# Altium PCB STM_W5500.PcbDoc
Units mil, origin at the board's own origin, x right, y up, seen from the top; angles counter-clockwise.
Board outline 3937.01 x 3937.01 mil, 2 copper layers (Top Layer, Bottom Layer); 73 components, 66 nets, 300 pads, 74 vias.
Unrouted connection lines stored in the file: 60.
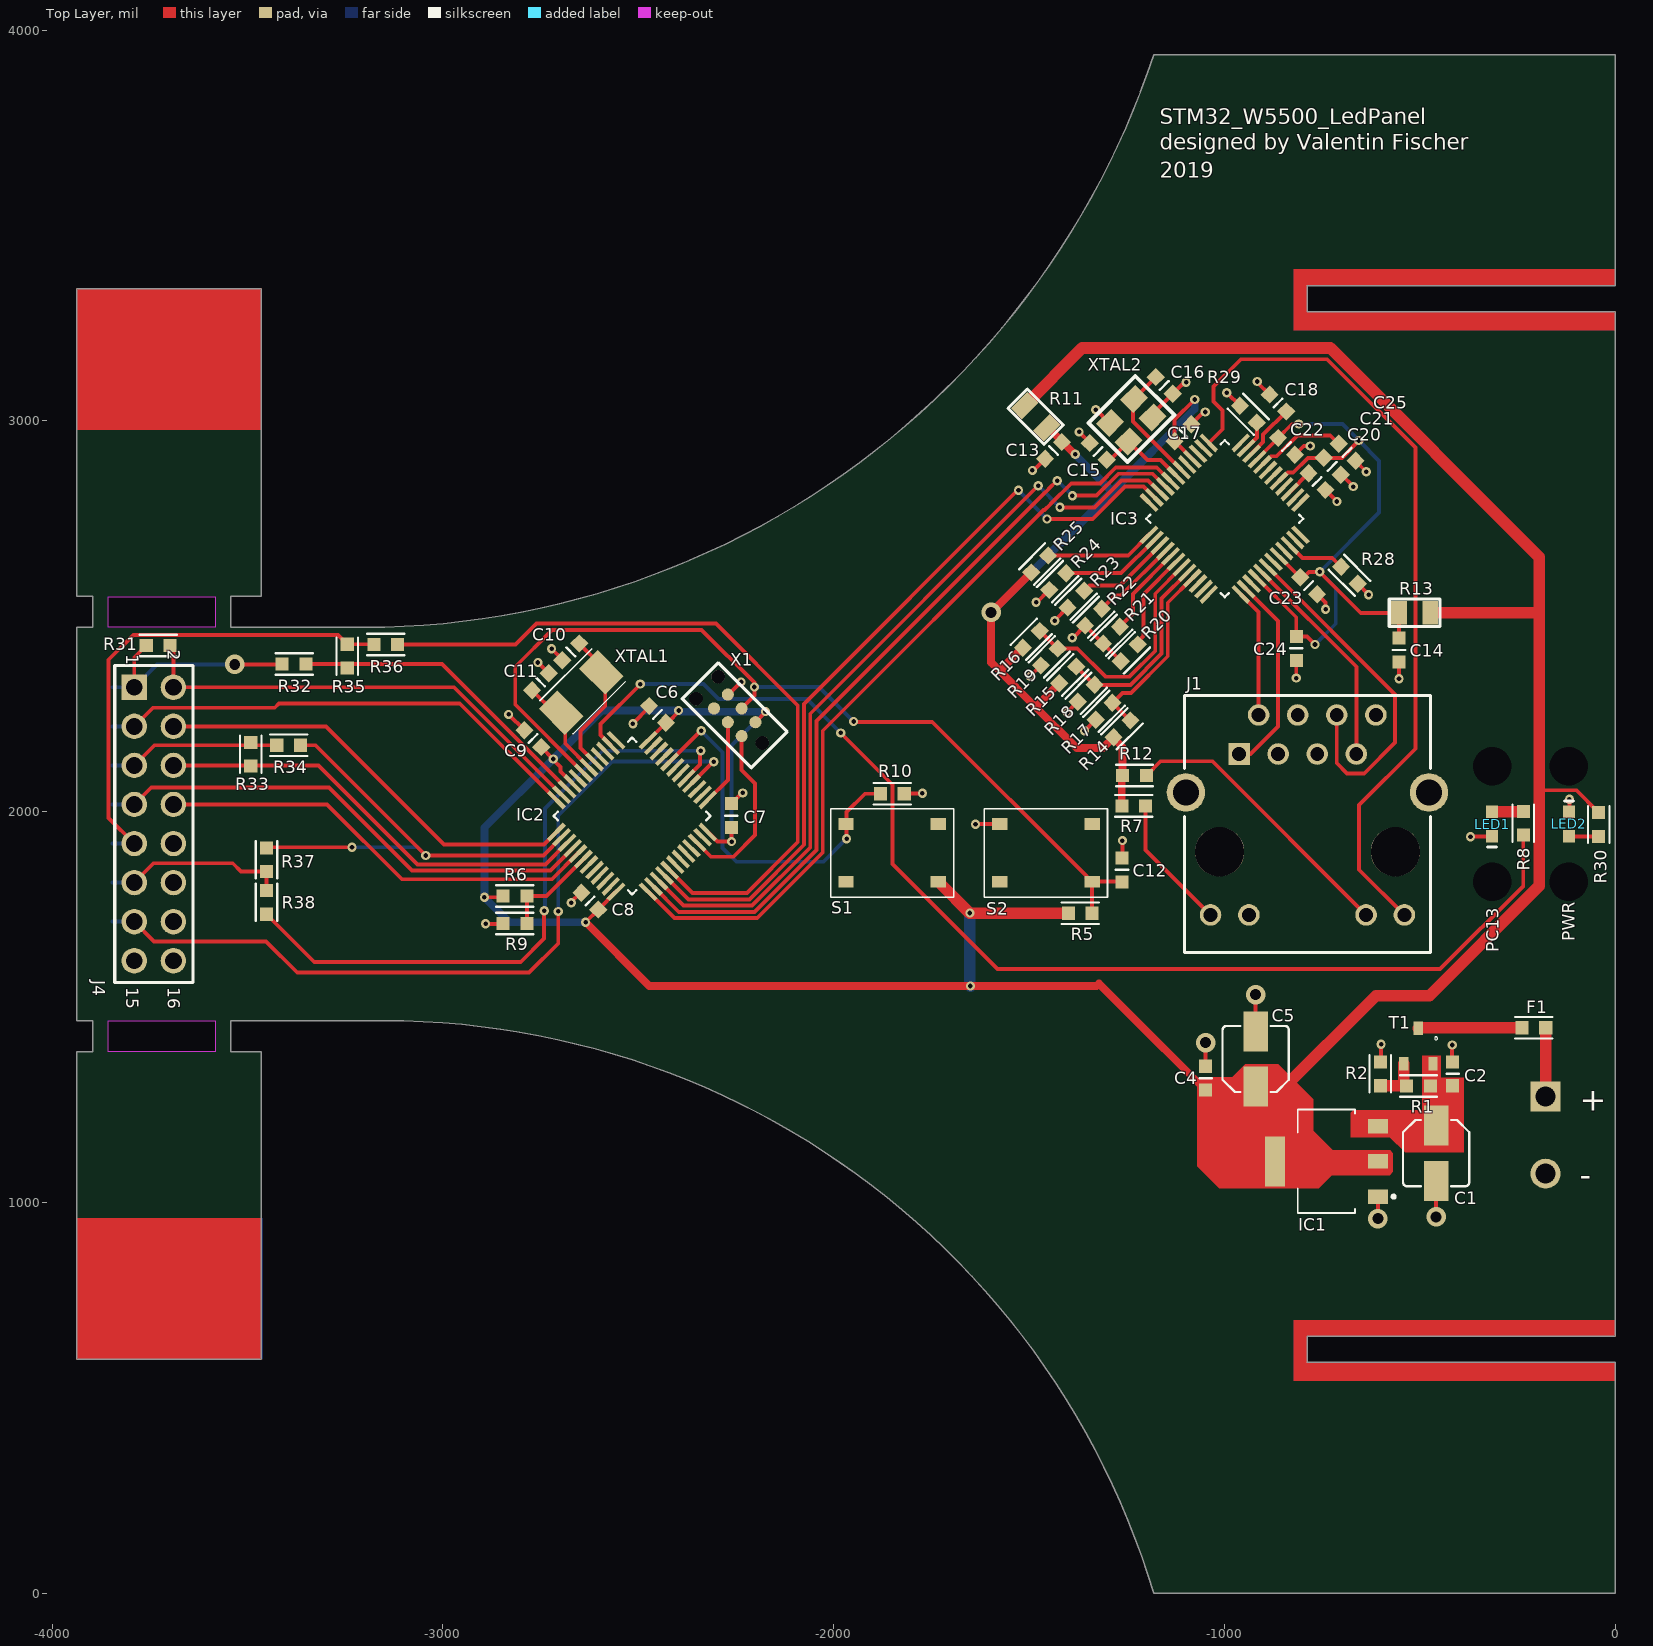
[diagram p0: Top Layer view]
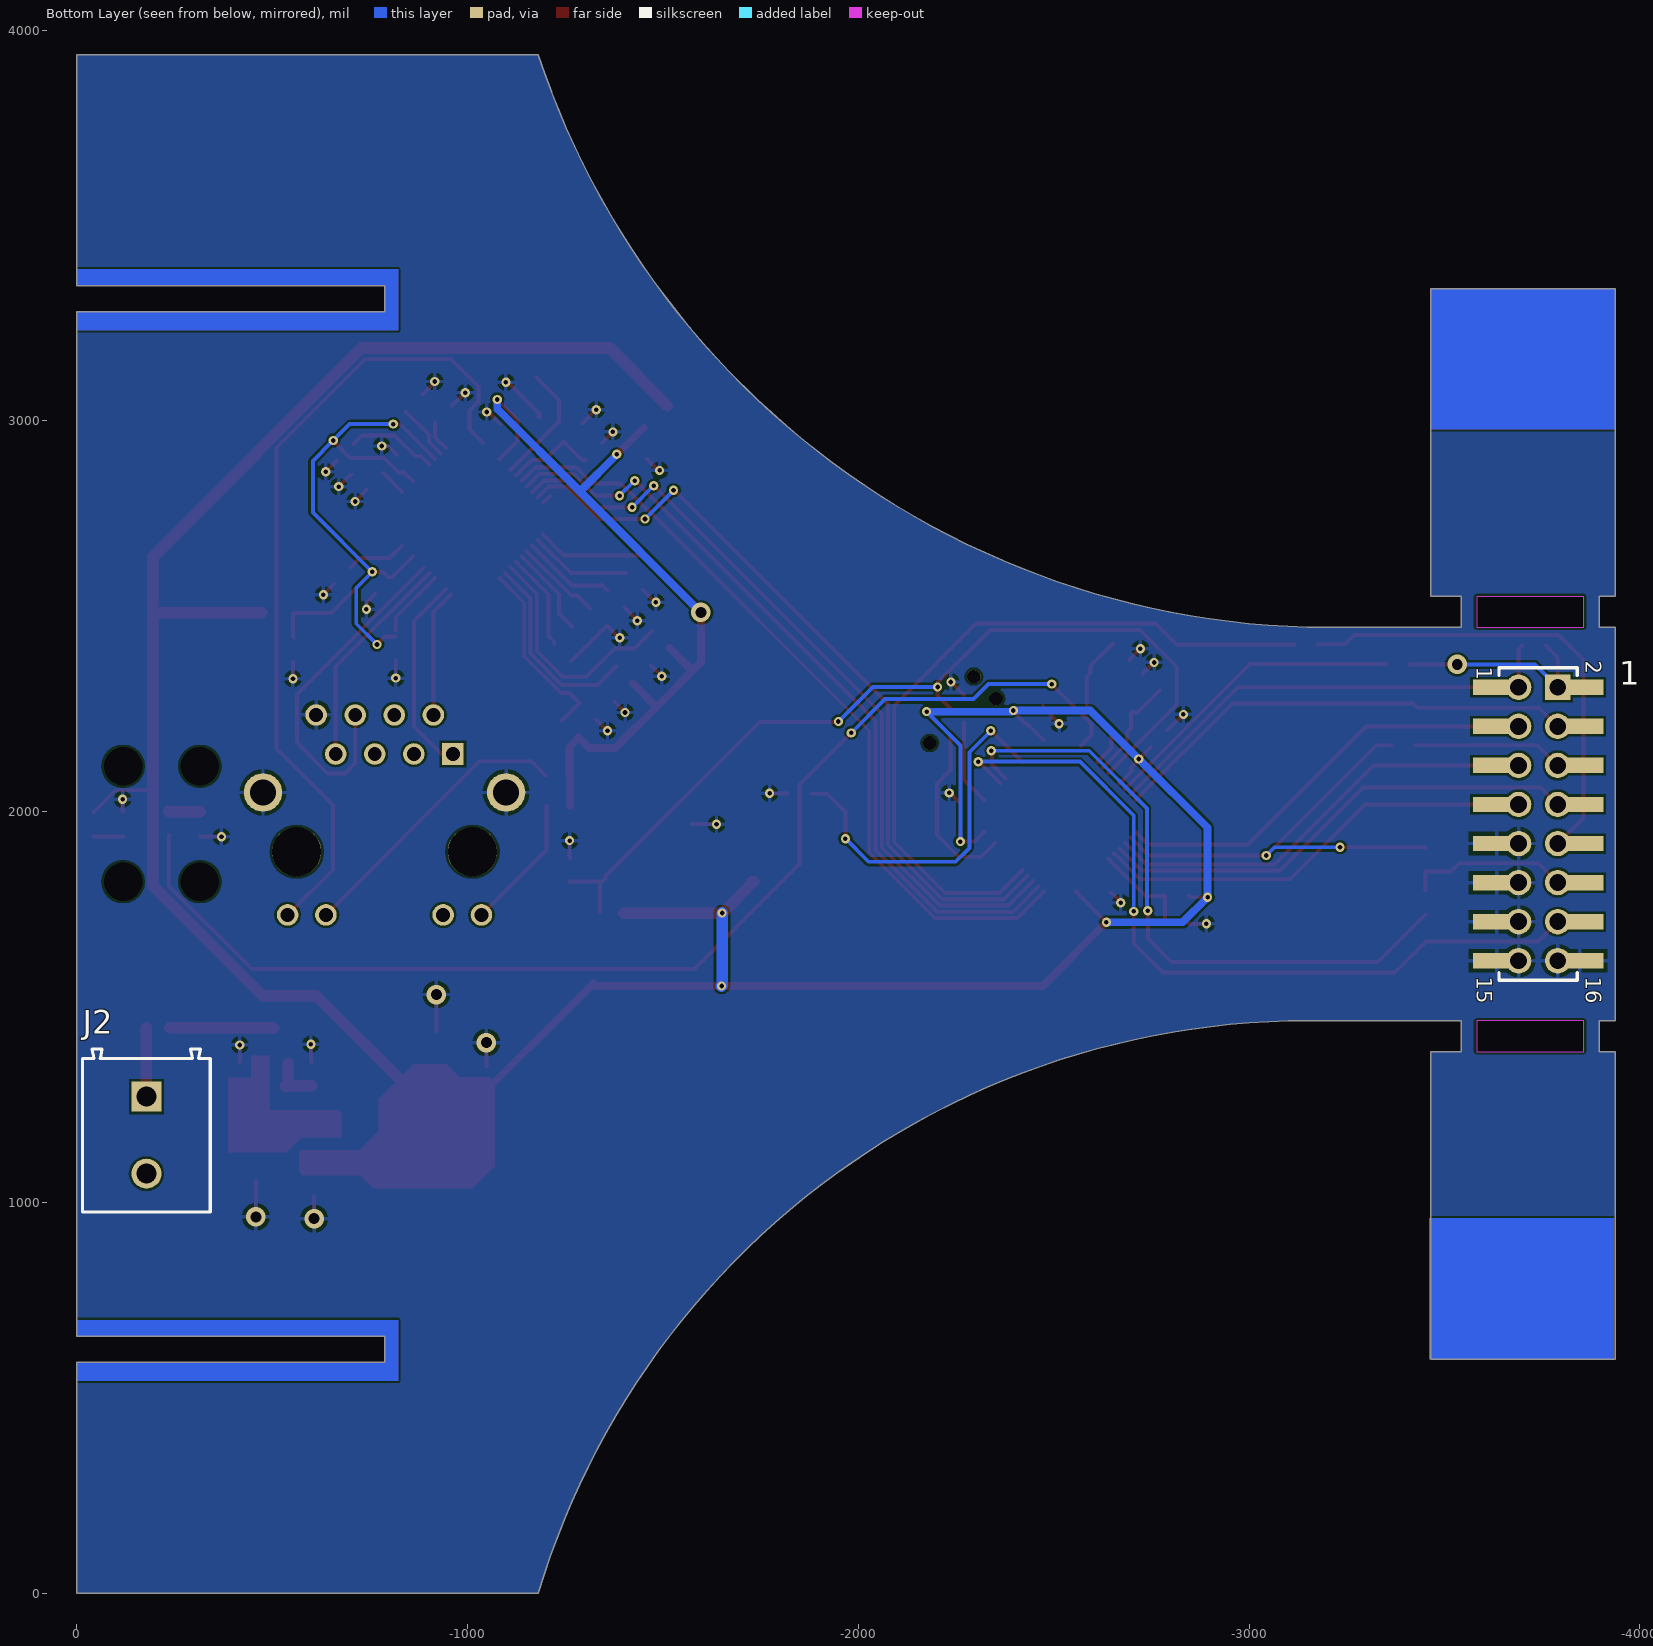
[diagram p1: Bottom Layer view, seen from below]
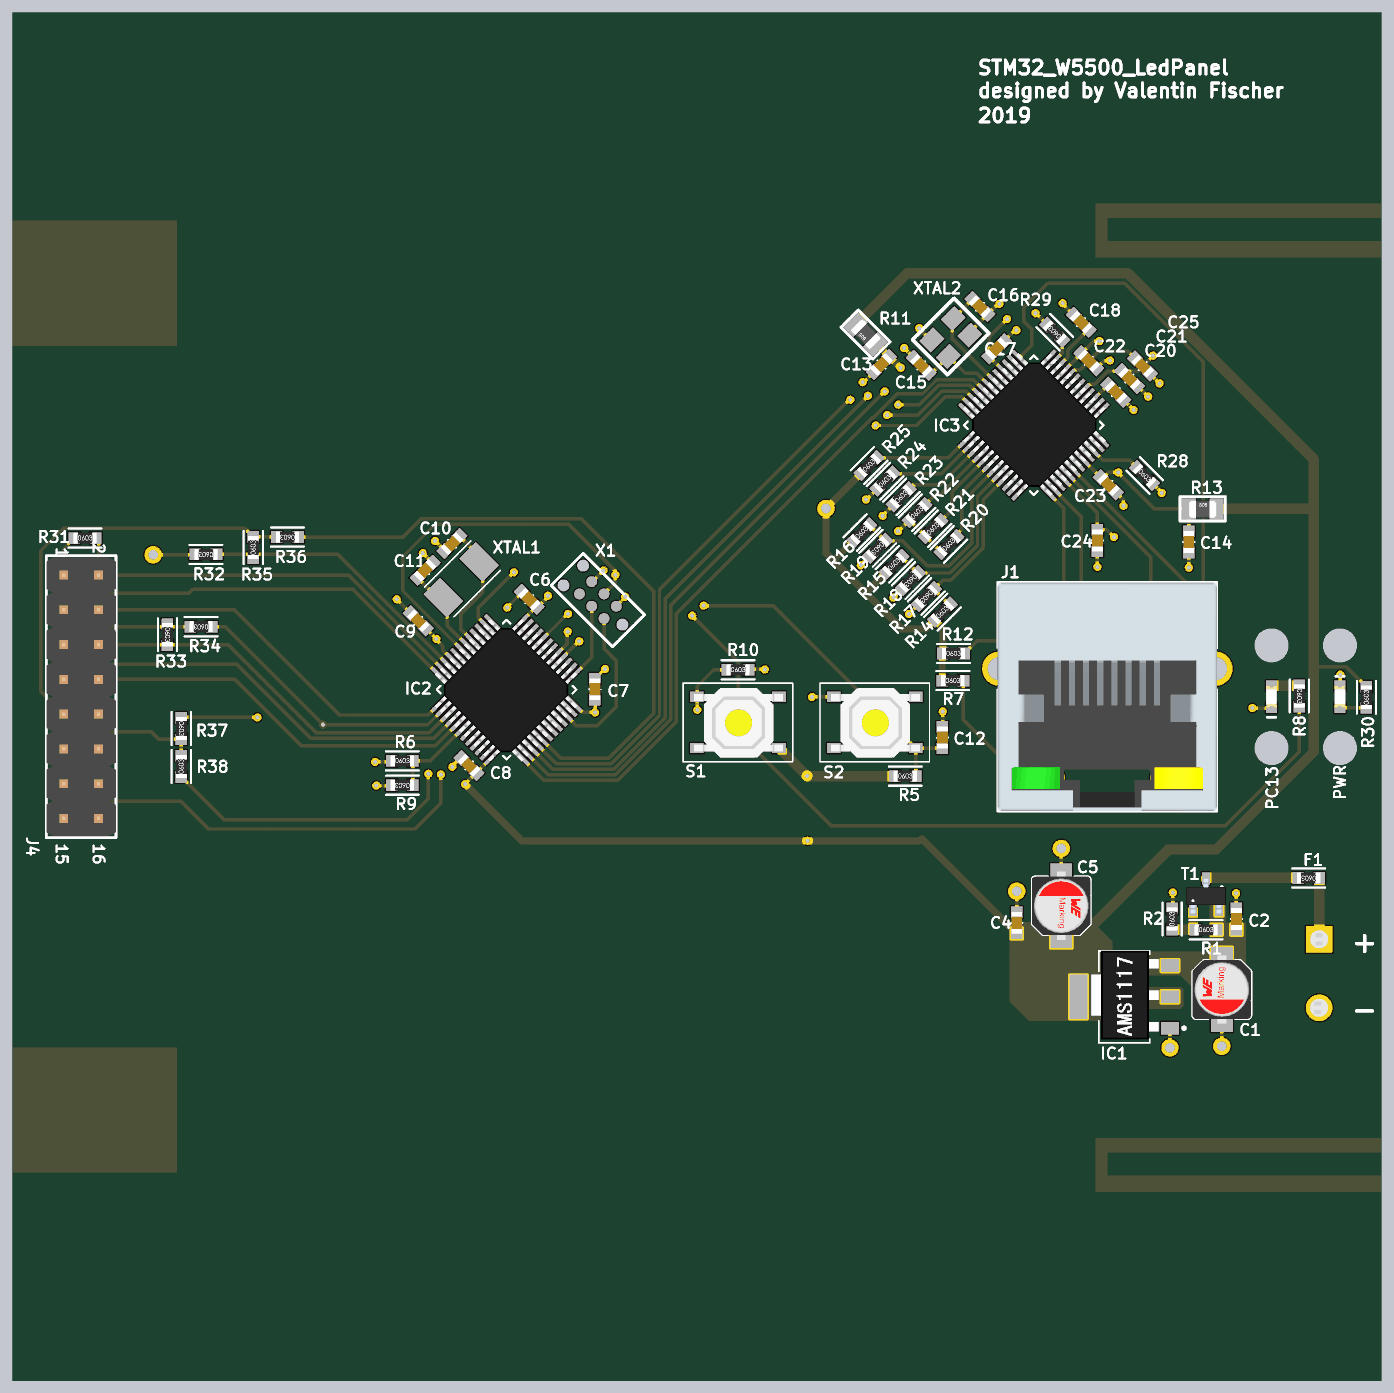
[diagram p2: 3D render of the assembled board from above, using the file's embedded part models]

## Layer stack, top to bottom
Top Solder: solder mask 0.4, Solder Resist, Dk 3.5
Top Layer: signal copper 1.4
Dielectric 1: dielectric 12.6, FR-4, Dk 4.8
Bottom Layer: signal copper 1.4
Bottom Solder: solder mask 0.4, Solder Resist, Dk 3.5

## Board outline
-3937.01,1386.22 -3895.89,1386.22 -3895.89,1464.96 -3937.01,1464.96 -3937.01,2472.05 -3895.89,2472.05 -3895.89,2550.79 -3937.01,2550.79 -3937.01,3338.19 -3464.57,3338.19 -3464.57,2550.79 -3543.31,2550.79 -3543.31,2472.05 -3149.61,2472.05 ccw(c-3208.01,4605.57) -1181.1,3937.01 0,3937.01 0,3346.46 -787.4,3346.46 -787.4,3279.53 0,3279.53 0,657.48 -787.4,657.48 -787.4,590.55 0,590.55 0,0 -1181.1,0 ccw(c-3149.61,-590.08) -3149.61,1464.96 -3543.31,1464.96 -3543.31,1386.22 -3464.57,1386.22 -3464.57,598.82 -3937.01,598.82
cut-out: -3856.76,1386.25 -3857.26,1386.75
cut-out: -3856.76,1386.25 -3857.26,1386.75
cut-out: -3857.26,1464.75 -3582.26,1464.75 -3582.26,1385.75 -3856.26,1385.75 -3857.26,1386.75
cut-out: -3857.26,2550.75 -3582.26,2550.75 -3582.26,2471.75 -3857.26,2471.75

## Design rules (kind name [scope] priority, off if disabled: settings)
Clearance [All] p1: gap=6 ignorepadtopadclearanceinfootprint=FALSE except(0: Arc-Hole Track-Hole SMDPad-Hole THPad-Hole Via-Hole Fill-Hole Poly-Hole Region-Hole Text-Hole)
PolygonConnect [All] p1: connectstyle=Relief reliefconductorwidth=10 reliefentries=4 polygonreliefangle="90 Angle" airgapwidth=10
RoomDefinition W5500 [InComponentClass('W5500')] p1: confinementstyle=ConfineIn formatcopy=TRUE lockcomponents=FALSE outline -5577.26,-1745.25 -3577.26,-1745.25 -3577.26,-745.25 -5577.26,-745.25
RoomDefinition Main [InComponentClass('Main')] p2: confinementstyle=ConfineIn formatcopy=TRUE lockcomponents=FALSE outline -5577.26,-1745.25 -3577.26,-1745.25 -3577.26,-745.25 -5577.26,-745.25
RoutingVias [All] p1: holewidth=28 width=50 viastyle="Through Hole" minholewidth=28 minwidth=50 maxholewidth=28 maxwidth=50
SolderMaskExpansion [All] p1: expansion=4
Width [All] p1: maxlimit=100 minlimit=6 preferedwidth=10 minimp=50.000000 maximp=50.000000 favimp=50.000000
30 further rules are at their usual default settings.

## Classes and differential pairs
component class W5500: C13 C14 C15 C16 C17 C18 C20 C21 C22 C23 C24 C25 IC3 J1 R7 R11 R12 R13 R14 R15 R16 R17 R18 R19 R20 R21 R22 R23 R24 R25 R28 R29 XTAL2 Y1
component class Main: 1 C1 C2 C4 C5 C6 C7 C8 C9 C10 C11 C12 F1 IC1 IC2 J2 J4 LED1 LED2 R1 R2 R5 R6 R8 R9 R10 R30 R31 R32 R33 R34 R35 R36 R37 R38 S1 S2 T1 X1 XTAL1

## Components (designator, comment, footprint, x,y, rotation, side; value= is the part's Value field where it differs from the comment)
1 "2.54 mm_SMD_Vertical_16 pin" 61001621121 -3740.16,1968.5 r270 bottom
C1 "865080140001" WCAP-ASLI_4x5.5 -458,1126.13 r90 top value=22uF
C2 "0.10µF" SMD-0603C -416,1329 r180 top
C4 "0.10µF" SMD-0603C -1048,1318 r180 top
C5 "865080140001" WCAP-ASLI_4x5.5 -920,1367 r270 top value=22uF
C6 "0.10µF" SMD-0603C -2451,2249 r225 top
C7 "0.10µF" SMD-0603C -2262,1990 r180 top
C8 "0.10µF" SMD-0603C -2624,1771 r225 top
C9 "0.10µF" SMD-0603C -2770,2187 r225 top
C10 "20pF" SMD-0603C -2673,2409 r135 top
C11 "20pF" SMD-0603C -2750.58,2332.42 r315 top
C12 "0.10µF" SMD-0603C -1262,1851 r180 top
C13 "22µF" SMD-0603C -1437.42,2924.58 r315 top
C14 "22µF" SMD-0603C -553,2414 r0 top
C15 "22pF" SMD-0603C -1323,2922 r45 top
C16 "22pF" SMD-0603C -1154,3091 r225 top
C17 "22uF" SMD-0603C -1106,2970 r135 top
C18 "10nF" SMD-0603C -863,3046 r225 top
C20 "0.10µF" SMD-0603C -763,2845 r45 top
C21 "0.10µF" SMD-0603C -724,2884 r45 top
C22 "0.10µF" SMD-0603C -841,2935 r45 top
C23 "0.10µF" SMD-0603C -784.42,2578.42 r45 top
C24 "0.10µF" SMD-0603C -816,2418 r0 top
C25 "4.7uF" SMD-0603C -686,2920 r45 top
F1 "0R" SMD-0603-RES -208,1447 r90 top
IC1 "AMS1117-5.0" SOT229P700X180-4N -739,1105 r90 top
IC2 "STM32F072C8U6" LQFP-48 -2516,1989 r315 top
IC3 "W5500" LQFP-48 -999,2750 r135 top
J1 "615008138321" 615008138321 -787.4,1968.5 r0 top
J2 "691213710002" 691213710002 -178,1172 r270 bottom
J4 "2.54 mm_THT_Vertical_16 pin" 61301621121 -3740.16,1968.5 r270 top
LED1 "PC13" 0603_A -314.96,1968.5 r90 top
LED2 "PWR" 0603_A -118.11,1968.5 r270 top
R1 "3k3" SMD-0603-RES -503.49,1298 r270 top
R2 "4.7k" SMD-0603-RES -601,1329 r0 top
R5 "10k" SMD-0603-RES -1369,1740 r270 top
R6 "10k" SMD-0603-RES -2816,1784 r270 top
R7 "330" SMD-0603-RES -1232,2015 r270 top
R8 "330" SMD-0603-RES -235,1970.51 r180 top
R9 "10k" SMD-0603-RES -2816,1714 r90 top
R10 "10k" SMD-0603-RES -1850,2046 r270 top
R11 "1" SMD-0805-RES -1483,3011 r45 top
R12 "330" SMD-0603-RES -1230,2093 r270 top
R13 "1" SMD-0805-RES -513,2509 r270 top
R14 "10k" SMD-0603-RES -1262,2212 r315 top
R15 "10k" SMD-0603-RES -1401,2350 r315 top
R16 "10k" SMD-0603-RES -1494,2441 r315 top
R17 "10k" SMD-0603-RES -1308,2257 r135 top
R18 "10k" SMD-0603-RES -1354,2303 r135 top
R19 "10k" SMD-0603-RES -1448,2396 r135 top
R20 "10k" SMD-0603-RES -1243.42,2406.58 r315 top
R21 "10k" SMD-0603-RES -1289,2452 r315 top
R22 "10k" SMD-0603-RES -1335,2498 r315 top
R23 "10k" SMD-0603-RES -1380,2544 r315 top
R24 "10k" SMD-0603-RES -1427,2589 r315 top
R25 "10k" SMD-0603-RES -1473,2634 r315 top
R28 "12k4" SMD-0603-RES -680,2605 r225 top
R29 "10k" SMD-0603-RES -938.58,3017.58 r45 top
R30 "330" SMD-0603-RES -42,1967 r0 top
R31 "0" SMD-0603-RES -3729,2425 r270 top
R32 "0" SMD-0603-RES -3381,2378 r90 top
R33 "0" SMD-0603-RES -3492,2147 r180 top
R34 "0" SMD-0603-RES -3395,2170 r90 top
R35 "0" SMD-0603-RES -3245,2398 r0 top
R36 "0" SMD-0603-RES -3146.49,2428 r90 top
R37 "0" SMD-0603-RES -3452,1877 r180 top
R38 "0" SMD-0603-RES -3452,1768 r0 top
S1 "Button" Button5050 -1968.5,1968.5 r0 top
S2 "Button" Button5050 -1574.8,1968.5 r0 top
T1 "AO3401" SOT23 -503.6,1400.28 r180 top
X1 "ICSP" TC2030-MCP-NL -2182.61,2175.97 r135 top
XTAL1 "Crystal 5032" 5032 -2646,2305 r225 top
XTAL2 "Crystal" 3225 -1292.33,2995.33 r45 top

## Footprints (in the part's own frame and the unit in brackets; to place one, negate y for a bottom-side part, rotate by r counter-clockwise, add the part's x,y. Pads: shape width x height; smd on the part's side, far side on the other; paste and mask are expansions set on the pad)
0603_A [mm] "Chip LED, 2-Leads, Body 1.6x0.8mm, IPC Medium Density"
  rect 0.8x0.8 smd: 1(-0.8,0) 2(0.8,0)
  silkscreen extent -1.5,-0.3 -1.5,0.3, body extent -0.8,-0.4 0.8,0.4, height 0.68
3225 [mm] "Quarz 3225"
  rect 1.4x1.2 smd: 1(0,-1.7) 2(2.2,-1.7) 3(2.2,0) 4(0,0)
  silkscreen extent -1,-2.6 3.3,1
5032 [mm]
  rect 1.7x2.4 smd: 1(-1.85,0) 2(1.85,0)
  silkscreen extent -2.5,-1.52 2.29,1.52
61001621121 [mm] "Pin Header, pitch 2.54 mm, SMD, Vertical, dual row, 16p"
  rect 1x3.1 smd: 1(-8.89,-2.7) 2(-8.89,2.7) 3(-6.35,-2.7) 4(-6.35,2.7) 5(-3.81,-2.7) 6(-3.81,2.7) 7(-1.27,-2.7) 8(-1.27,2.7) 9(1.27,-2.7) 10(1.27,2.7) 11(3.81,-2.7) 12(3.81,2.7) 13(6.35,-2.7) 14(6.35,2.7) 15(8.89,-2.7) 16(8.89,2.7)
  silkscreen extent -10.16,-2.54 10.16,2.54, body extent -10.16,-3.75 10.16,3.75, height 9.62
61301621121 [mm] "Pin Header, pitch 2.54 mm, THT, Vertical, dual row, 16p"
  rect 1.65x1.65 hole 1.1: 1(-8.89,-1.27)
  round 1.65 hole 1.1: 2(-8.89,1.27) 3(-6.35,-1.27) 4(-6.35,1.27) 5(-3.81,-1.27) 6(-3.81,1.27) 7(-1.27,-1.27) 8(-1.27,1.27) 9(1.27,-1.27) 10(1.27,1.27) 11(3.81,-1.27) 12(3.81,1.27) 13(6.35,-1.27) 14(6.35,1.27) 15(8.89,-1.27) 16(8.89,1.27)
  silkscreen extent -10.31,-2.54 10.31,2.54, body extent -10.16,-2.54 10.16,2.54, height 8.59
615008138321 [mm] "Modular Jack Vertical Shielded 8P8C with LED"
  rect 1.4x1.4 hole 0.9: 1(-4.445,4.55)
  round 1.4 hole 0.9: 2(-3.175,7.09) 3(-1.905,4.55) 4(-0.635,7.09) 5(0.635,4.55) 6(1.905,7.09) 7(3.175,4.55) 8(4.445,7.09) 9(6.3,-5.91) 10(3.81,-5.91) 11(-3.81,-5.91) 12(-6.3,-5.91)
  round 3.2 hole 3.2 unplated: MH1(-5.715,-1.8) MH2(5.715,-1.8)
  round 2.5 hole 1.7: S1(-7.9,2.05) S2(7.9,2.05)
  silkscreen extent -8,-8.35 8,8.35, body extent -8.02,-8.35 8.03,8.35, height 16.57
691213710002 [mm] "5,00mm - modular - green - Horizontal entry with rising cage clamp -  10,0mm height - 02p"
  rect 1.95x1.95 hole 1.3: 1(-2.5,0)
  round 1.95 hole 1.3: 2(2.5,0)
  silkscreen extent -5.6,-4.15 5,4.15, body extent -5.6,-4.15 5,4.15, height 10.05
Button5050 [mm]
  rect 1x0.75 smd: 1(0,0) 2(6,-3.75) 3(0,-3.75) 4(6,0)
  silkscreen extent -1,-4.75 7,1, body extent -0.2,-4.44 6.3,0.64, height 1.52
LQFP-48 [mil] "LQFP 48 Pins"
  rect 58x11 smd: 1(-166,108) 2(-166,89) 3(-166,69) 4(-166,49) 5(-166,30) 6(-166,10) 7(-166,-10) 8(-166,-30) 9(-166,-49) 10(-166,-69) 11(-166,-89) 12(-166,-108) 25(166,-108) 26(166,-89) 27(166,-69) 28(166,-49) 29(166,-30) 30(166,-10) 31(166,10) 32(166,30) 33(166,49) 34(166,69) 35(166,89) 36(166,108)
  rect 11x58 smd: 13(-108,-166) 14(-89,-166) 15(-69,-166) 16(-49,-166) 17(-30,-166) 18(-10,-166) 19(10,-166) 20(30,-166) 21(49,-166) 22(69,-166) 23(89,-166) 24(108,-166) 37(108,166) 38(89,166) 39(69,166) 40(49,166) 41(30,166) 42(10,166) 43(-10,166) 44(-30,166) 45(-49,166) 46(-69,166) 47(-89,166) 48(-108,166)
  silkscreen extent -142,-142 142,142, body extent -177,-180 177,175, height 58
SMD-0603-RES [mm]
  rect 0.85x0.85 smd: 1(0,0.775) 2(0,-0.775)
  silkscreen extent -0.7,-1.2 0.7,1.2, body extent -0.4,-0.85 0.4,0.85, height 0.56
SMD-0603C [mm]
  rect 0.85x0.85 smd: 1(0,0.775) 2(0,-0.775)
  silkscreen extent -0.4,0 0.4,0, body extent -0.4,-0.8 0.4,0.8, height 0.9
SMD-0805-RES [mil]
  rect 60x40 smd: 1(0,40) 2(0,-40)
  silkscreen extent -35,-65 35,65, body extent -24,-39 26,39, height 31
SOT23 [mm]
  rect 0.6x0.9 smd: D(0,-1.15) G(0.95,1.15) S(-0.95,1.15)
  silkscreen extent -1.25,-0.6 -1.05,-0.4, body extent -1.45,-1.17 1.45,1.43, height 1
SOT229P700X180-4N [mm]
  rect 0.93x1.31 smd: 1(-2.29,-3.345) 2(0,-3.345) 3(2.29,-3.345)
  rect 3.24x1.31 smd: 2(0,3.345)
  silkscreen extent -3.36,-4.47 3.36,1.86, body extent -3.12,-3.56 3.38,3.44, height 0.85
TC2030-MCP-NL [mil]
  round 31 smd: 1(50,-25) 2(50,25) 3(100,-25) 4(100,25) 5(150,-25) 6(150,25)
  round 34 hole 35 unplated: A(0,0) B(200,40) C(200,-40)
  silkscreen extent -25,-65 225,65
WCAP-ASLI_4x5.5 [mm] "Aluminium Electrolytic V-Chip SMT Capacitors, §¶4x5.5mm"
  rect 2.6x1.6 smd: 1(1.8,0) 2(-1.8,0)
  silkscreen extent -2.15,-2.15 2.15,2.15, body extent -2.5,-2.15 2.5,2.15, height 5.5

## Part data
1: library part 61001621121, "Pin Header WR-PHD, pitch 2.54 mm, SMD, Vertical, dual row, 16 pin", Contact Resistance="20 mOhm", Insulation Resistance=">1000 MOhm", Operating Temperature="-40 to 105 degC", Rated Current="3 A", Working Voltage="250 VAC", ComponentLink1Description=Manufacturer, ComponentLink1URL=http://www.we-online.de, ComponentLink2Description=Datasheet, ComponentLink2URL=http://katalog.we-online.de/em/datasheet/6100xx21121.pdf, Mounting Technology=SMD, Orientation=Vertical, Part Number=61001621121, Pin Number=16, Pitch="2.54 mm", Published Date="Jan. 2018", Publisher="Wurth Elektronik", Row Number=Dual
C1 C5: "WCAP-ASLI Aluminum Electrolytic Capacitors, size ?4x5.5mm, 6.3V DC, 22uF", Operating Temperature="-55 °C up to +105 °C", Rated Voltage="6.3V DC", ComponentLink1Description=Manufacturer, ComponentLink1URL=http://www.we-online.de, ComponentLink2Description=Datasheet, ComponentLink2URL=http://katalog.we-online.de/pbs/datasheet/865080140001.pdf, Life Cycle=2000h, Part Number=865080140001, Published Date="June 2017", Publisher="Wurth Elektronik", Size=?4x5.5mm
C2 C4 C6 C7 C8 C9 C10 C11 C12 C20 C21 C22 C23 C24: library part GCM188R71C104KA37J, "CAP CER 0.1UF 16V X7R 0603", Digi-Key Part Number=490-8015-1-ND, Manufacturer="Murata Electronics North America", Operating Temperature="-55°C ~ 125°C", Package / Case="0603 (1608 Metric)", Ratings=AEC-Q200, Temperature Coefficient=X7R, Tolerance=±10%, Voltage=16V, @ qty=0, Applications=Automotive, Datasheets=http://www.murata.com/~/media/webrenewal/support/library/catalog/products/capacitor/mlcc/c03e.ashx, Factory Stock=0, Features=-, Height - Seated (Max)=-, Image=//media.digikey.com/Renders/Murata%20Renders/0603%28GCM188%29.jpg, Lead Spacing=-, Lead Style=-, Minimum Quantity=1, Mounting Type="Surface Mount, MLCC", Packaging="Cut Tape (CT)", Part Number=GCM188R71C104KA37J, Part Status=Active, Quantity Available=17844, Series=GCM, Size / Dimension="0.063\" L x 0.031\" W (1.60mm x 0.80mm)", Thickness (Max)="0.035\" (0.90mm)", Unit Price (USD)=0.18
C13 C14: library part ZRB186R60G226ME11L, "CAP CER 22UF 4V X5R 0603", Digi-Key Part Number=490-13253-1-ND, Manufacturer="Murata Electronics North America", Operating Temperature="-55°C ~ 85°C", Package / Case="0603 (1608 Metric)", Ratings=-, Temperature Coefficient=X5R, Tolerance=±20%, Voltage=4V, @ qty=0, Applications="Acoustic Noise Reduction", Datasheets=http://psearch.en.murata.com/capacitor/product/ZRB186R60G226ME11%23.pdf, Factory Stock=0, Features="Interposer Termination", Height - Seated (Max)=-, Image=//media.digikey.com/Renders/Murata%20Renders/0603%20(1608%20Metric).jpg, Lead Spacing=-, Lead Style=-, Minimum Quantity=1, Mounting Type="Surface Mount, MLCC", Packaging="Cut Tape (CT)", Part Number=ZRB186R60G226ME11L, Part Status=Active, Quantity Available=3925, Series=ZRB, Size / Dimension="0.063\" L x 0.031\" W (1.60mm x 0.80mm)", Thickness (Max)="0.031\" (0.80mm)", Unit Price (USD)=0.36